# Altium PCB RK_NVR_DEMO1_RK3588_LP4XD200P232SD8_V21_20211228_final_lint.PcbDoc (part 18 of 29) (continued)
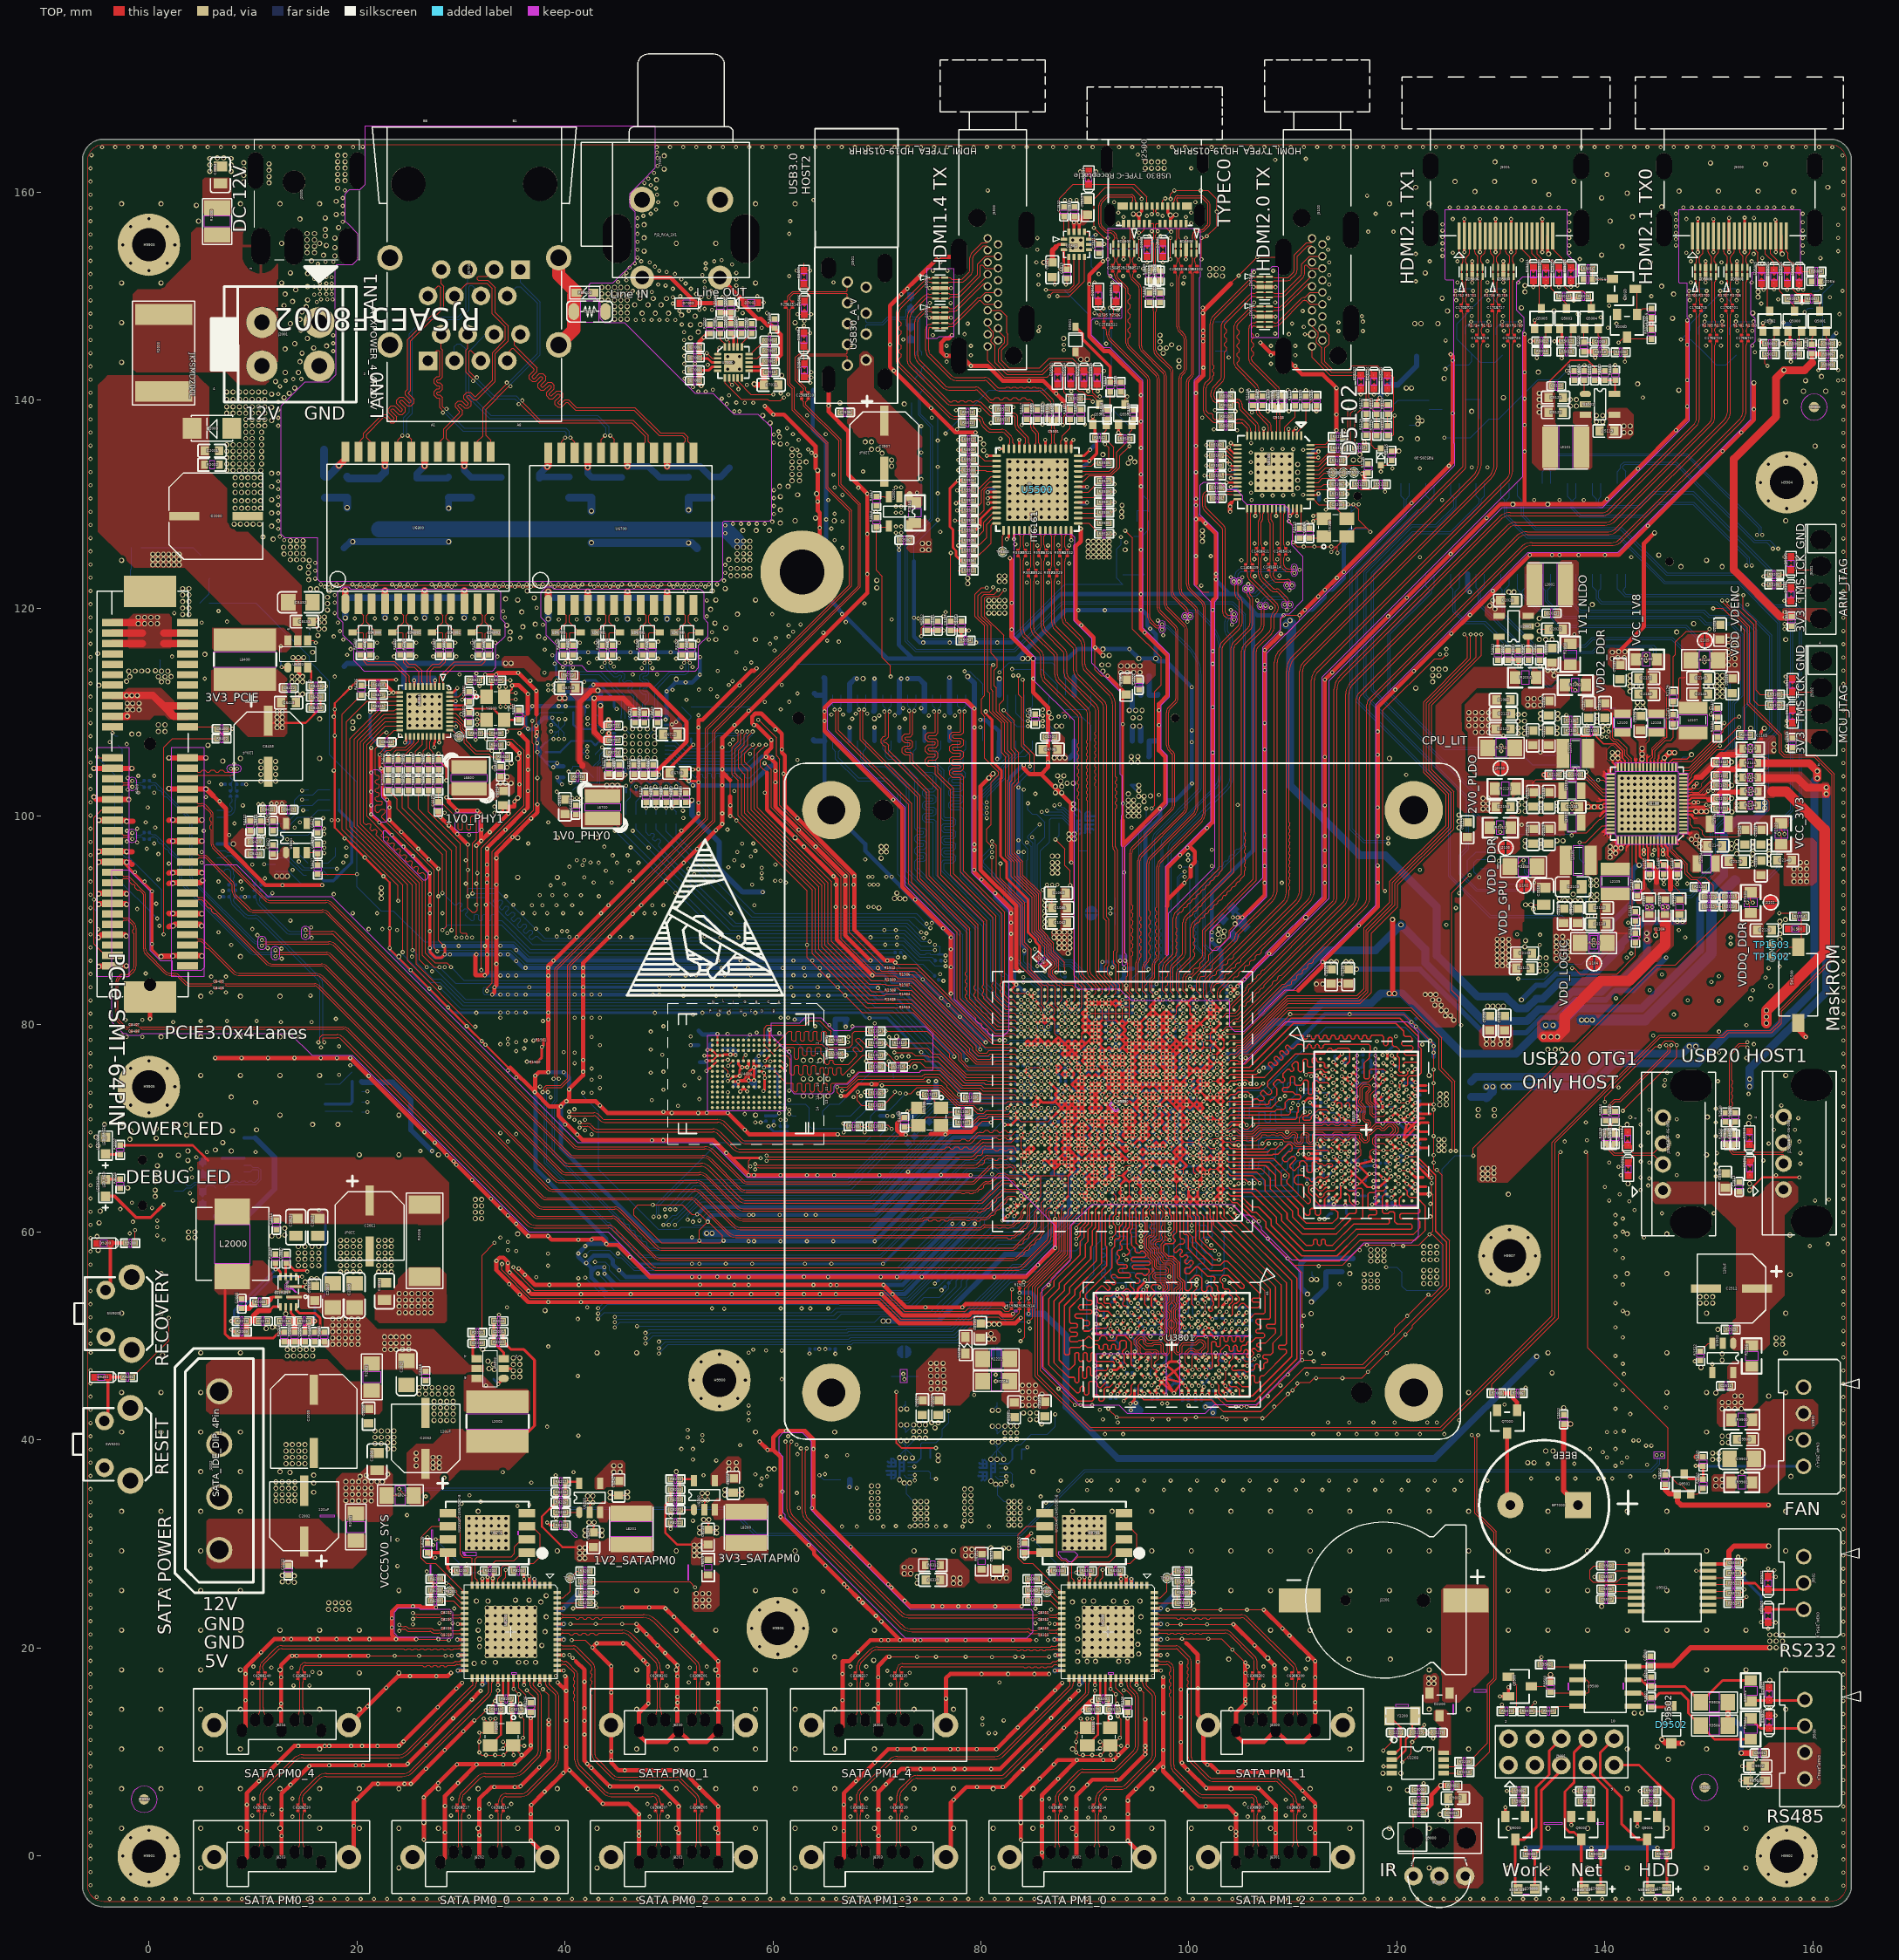
[diagram p0: TOP view]
## Nets (pads, with @x,y where several pads share a name; then routed paths per layer and width w, separated by ;. In a path a pad name is that pad's centre, name@x,y a point inside that pad or via, vN(x,y) a via of type N, cw(c..) or ccw(c..) an arc to the next point about the centre after c; other vN are vias at no path point) (continued)
LAN1_A+: J6700.B1 U6800.13 | length 20.8
  TOP w0.076: U6800.13@32.863,135.024 32.863,136.127 32.402,136.588 32.402,139.129 34.609,141.336 v4(34.767,141.336)
  BOTTOM w0.076: v4(34.767,141.336) 34.767,141.493 37.634,144.361 37.634,149.43 35.729,151.335 J6700.B1@35.729,152.558
  other v3: 34.767,141.336
LAN1_A-: J6700.B2 U6800.14 | length 20.7
  TOP w0.076: U6800.14@31.598,135.024 31.598,136.039 32.122,136.563 32.122,139.245 34.412,141.534 v4(34.412,141.691)
  BOTTOM w0.076: v4(34.412,141.691) 34.569,141.691 37.355,144.476 37.355,149.314 35.755,150.914 35.356,150.914 J6700.B2@34.459,150.018
  other v3: 34.412,141.691
LAN1_B+: J6700.B3 U6800.16 | length 26
  TOP w0.076: U6800.16@29.058,135.024 29.058,135.869 28.617,136.309 28.617,137.122 30.163,138.668 30.163,139.008 29.746,139.425 29.746,139.532 29.855,139.641 29.963,139.641 30.38,139.224 30.719,139.224 30.991,139.496 30.991,139.835 30.573,140.252 30.573,140.36 30.682,140.468 30.79,140.468 31.207,140.051 31.546,140.051 33.316,141.821 33.316,144.474 34.561,145.719 34.561,147.144 33.291,148.414 33.291,150.838 32.605,151.524 31.665,151.524 31.589,151.6 31.589,151.83 31.69,151.93 32.562,151.93 J6700.B3@33.189,152.558
LAN1_B-: J6700.B6 U6800.17 | length 26.1
  TOP w0.076: U6800.17@27.788,135.024 27.788,135.836 28.338,136.386 28.338,137.238 29.884,138.784 29.884,138.892 29.467,139.309 29.467,139.648 29.739,139.92 30.078,139.92 30.495,139.503 30.603,139.503 30.711,139.611 30.711,139.719 30.294,140.136 30.294,140.475 30.566,140.748 30.906,140.748 31.323,140.331 31.43,140.331 33.037,141.937 33.037,144.59 34.281,145.834 34.281,147.028 33.011,148.298 33.011,150.722 32.515,151.219 30.58,151.219 J6700.B6@29.379,150.018
LAN1_C+: J6700.B4 U6800.19 | length 22
  TOP w0.076: v4(24.883,136.589) 25.238,136.234 U6800.19@25.238,135.024
  BOTTOM w0.076: v4(24.883,136.589) 24.782,136.69 24.782,138.214 25.315,138.748 25.315,146.252 26.803,147.739 29.851,147.739 30.776,148.665 30.776,150.914 30.878,151.016 31.081,151.016 31.919,150.177 J6700.B4@31.919,150.018
  other v3: 24.883,136.589
LAN1_C-: J6700.B5 U6800.20 | length 22.1
  TOP w0.076: U6800.20@23.968,135.024 23.968,136.181 v4(24.375,136.589)
  BOTTOM w0.076: v4(24.375,136.589) 24.502,136.716 24.502,138.33 25.036,138.864 25.036,146.368 26.687,148.019 29.735,148.019 30.497,148.781 30.497,151.042 30.649,151.194 J6700.B5@30.649,152.558
  other v3: 24.375,136.589
LAN1_D+: J6700.B7 U6800.22 | length 26.3
  TOP w0.076: U6800.22@21.428,135.024 21.428,135.879 20.932,136.374 20.932,136.702 22.573,138.343 22.681,138.343 23.22,137.804 23.559,137.804 23.831,138.077 23.831,138.416 23.293,138.955 23.293,139.062 23.401,139.17 23.508,139.17 24.047,138.632 24.386,138.632 24.659,138.904 24.659,139.243 24.12,139.782 24.12,139.889 24.228,139.997 24.336,139.997 24.874,139.459 25.214,139.459 25.486,139.731 25.486,140.071 24.947,140.609 24.947,140.717 25.163,140.932 25.163,145.707 28.338,148.882 28.338,150.954 28.109,151.183 J6700.B7@28.109,152.558
LAN1_D-: J6700.B8 U6800.23 | length 26.1
  TOP w0.076: U6800.23@20.158,135.024 20.158,135.927 20.653,136.422 20.653,136.818 22.458,138.622 22.797,138.622 23.335,138.084 23.443,138.084 23.552,138.193 23.552,138.3 23.013,138.839 23.013,139.178 23.285,139.45 23.624,139.45 24.163,138.911 24.27,138.911 24.379,139.02 24.379,139.127 23.841,139.666 23.841,140.005 24.112,140.277 24.452,140.277 24.99,139.738 25.098,139.738 25.206,139.847 25.206,139.955 24.668,140.493 24.668,140.833 24.883,141.048 24.883,145.823 28.058,148.998 28.058,150.838 27.913,150.984 27.805,150.984 J6700.B8@26.839,150.018
LAN1_MCT1: D6800.1 D6804.1 R6813.1 U6800.24 | length 6
  TOP w0.635: v8(18.266,133.707) 18.888,134.328 U6800.24@18.888,135.024
  BOTTOM w0.762: D6800.1@16.843,135.217 16.843,132.718 R6813.1@16.933,132.628 17.187,132.628 v8(18.266,133.707)
  other v7: 18.266,133.707
LAN1_MCT2: D6801.1 D6805.1 R6812.1 U6800.21 | length 5.9
  TOP w0.635: v8(22.698,133.668) U6800.21@22.698,135.024
  BOTTOM w0.762: R6812.1@19.067,132.628 19.209,132.486 D6801.1@22.115,132.486 22.698,133.069 v8(22.698,133.668)
  other v7: 22.698,133.668
LAN1_MCT3: D6802.1 D6806.1 R6811.1 U6800.18 | length 5.9
  TOP w0.635: v8(26.518,133.668) U6800.18@26.518,135.024
  BOTTOM w0.635: D6802.1@25.772,132.486 28.689,132.486 R6811.1@28.831,132.628 ; D6806.1@25.772,132.59 25.772,132.922 v8(26.518,133.668)
  other v7: 26.518,133.668
LAN1_MCT4: D6803.1 D6807.1 R6810.1 U6800.15 | length 5.6
  TOP w0.635: v8(30.328,133.668) U6800.15@30.328,135.024
  BOTTOM w0.635: v8(30.328,133.668) 30.328,133.265 R6810.1@30.965,132.628 31.002,132.59 D6807.1@33.9,132.59
  other v7: 30.328,133.668
LINE_IN: D7000.1 J7000.2 R7000.2 | length 8.7
  TOP w0.406: J7000.2@47.418,151.784 50.159,151.784 52.341,149.602 D7000.1@52.341,149.334 52.342,149.332 R7000.2@54.932,149.332
LINE_OUT: C7005.2 D7001.1 J7000.3 R7003.1 | length 11.1
  TOP w0.406: J7000.3@54.919,151.784 57.268,149.434 D7001.1@57.268,149.334 57.268,149.066 58.487,147.848 58.836,147.848 59.478,147.206 59.841,147.206 R7003.1@60.139,146.908 60.748,146.299 60.748,144.346 C7005.2@60.131,143.729
LINEIN: C7000.2 R7000.1 R7001.1 | length 2.1
  TOP w0.406: R7000.1@54.932,148.432 R7001.1@55.948,148.432 C7000.2@55.948,147.326
MCU_JTAG_TCK_M0/UART5_RX_M0: R9109.1 U1000.AE2 | length 95.4
  TOP w0.089: U1000.AE2@103.691,77.456 104.017,77.782
  TOP w0.102: 104.017,77.782 104.506,77.782 104.686,77.962 105.252,77.962 109.522,82.233 116.37,82.233 117.238,83.1 117.238,88.888 119.829,91.478 119.829,93.514 125.213,98.899 125.213,102.244 123.08,104.378 123.08,110.786 127.601,115.307 v4(127.601,117.488) ; v4(153.306,121.247) 153.306,119.926 154.525,118.707 154.525,112.103 154.916,111.712 R9109.1@155.909,111.712
  L6-S2 w0.102: v4(127.601,117.488) 128.109,117.996 129.836,117.996 133.799,121.958 152.595,121.958 v4(153.306,121.247)
  other v3: 127.601,117.488 153.306,121.247
  other v12: 127.601,117.488 153.306,121.247
MCU_JTAG_TMS_M0/UART5_TX_M0: R9108.1 U1000.AE1 | length 95.3
  TOP w0.102: U1000.AE1@104.341,77.456 104.483,77.456 104.786,77.759 105.336,77.759 109.556,81.979 116.476,81.979 117.543,83.046 117.543,88.735 120.083,91.275 120.083,93.409 125.467,98.794 125.467,102.35 123.334,104.483 123.334,110.681 128.109,115.456 v4(128.109,117.488) ; v4(152.798,121.247) 152.798,119.926 154.322,118.402 154.322,111.087 154.745,110.664 R9108.1@155.909,110.664
  L6-S2 w0.102: v4(128.109,117.488) 129.735,117.488 134.002,121.755 152.29,121.755 v4(152.798,121.247)
  other v3: 128.109,117.488 152.798,121.247
  other v12: 128.109,117.488 152.798,121.247
MIPI_CAM3_CLKOUT: R1917.2 U4700.39 | length 145
  TOP w0.102: v4(33.951,56.934) 33.926,56.909 33.926,56.359 36.627,53.658 70.279,53.658 72.311,51.626 79.036,51.626 79.265,51.854 81.678,51.854 81.906,51.626 83.075,51.626 83.71,52.261 R1917.2@83.71,52.646
  L4-S1 w0.102: v4(33.951,56.934) 34.152,57.135 34.152,88.25 41.139,95.238 v4(41.139,95.746)
  L6-S2 w0.102: v4(41.139,95.746) 41.978,96.584 51.955,96.584 64.406,109.035 64.406,112.002 66.539,114.135 78.223,114.135 v4(78.427,113.932)
  BOTTOM w0.102: v4(78.427,113.932) 78.935,113.932 80.17,112.697 U4700.39@80.17,111.636
  other v3: 33.951,56.934 41.139,95.746 78.427,113.932
  other v12: 41.139,95.746 78.427,113.932
  other v17: 33.951,56.934 41.139,95.746
MIPI_CAM4_CLKOUT: R1918.2 U4700.40 | length 136.8
  TOP w0.102: v4(35.043,56.63) 35.043,56.426 37.05,54.42 70.595,54.42 72.627,52.388 78.528,52.388 78.808,52.667 82.008,52.667 82.287,52.388 82.69,52.388 R1918.2@82.948,52.646
  L4-S1 w0.102: v4(35.043,56.63) 34.942,56.731 34.942,87.922 42.46,95.441 v4(42.46,95.542)
  L6-S2 w0.102: v4(42.46,95.542) 42.79,95.873 52.265,95.873 65.346,108.954 79.544,108.954 v4(79.951,108.547)
  BOTTOM w0.102: v4(79.951,108.547) 80.17,108.328 U4700.40@80.17,107.236
  other v3: 35.043,56.63 42.46,95.542 79.951,108.547
  other v12: 42.46,95.542 79.951,108.547
  other v17: 35.043,56.63 42.46,95.542
MIPI_CSI0_PDN0_H_GPIO1_B3: U1000.D27 U4700.51 | length 136.2
  TOP w0.102: v4(87.116,63.48) U1000.D27@87.441,63.806
  L4-S1 w0.102: v4(44.797,51.854) 46.88,53.937 46.88,58.611 45.305,60.186 45.305,84.671 v4(55.719,95.085)
  L6-S2 w0.102: v4(55.719,95.085) 55.643,95.161 55.643,98.159 63.39,105.906 78.833,105.906 83.1,110.173 v4(84.523,110.173)
  BOTTOM w0.089: 85.518,61.424 86.791,62.697 86.791,62.965 86.981,63.156 87.036,63.156 87.116,63.236 v4(87.116,63.48)
  BOTTOM w0.102: v4(44.797,51.854) 44.899,51.956 65.836,51.956 66.242,52.362 75.175,52.362 77.614,54.801 77.614,55.309 77.995,55.69 81.551,59.246 83.837,59.246 85.488,60.897 85.488,61.394 85.518,61.424 ; v4(84.523,110.173) 84.97,110.62 U4700.51@84.97,111.636
  other v3: 44.797,51.854 87.116,63.48 55.719,95.085 84.523,110.173
  other v12: 55.719,95.085 84.523,110.173
  other v17: 44.797,51.854 55.719,95.085
MIPI_CSI0_PDN1_H_GPIO1_A7: U1000.C25 U4700.55 | length 137.3
  TOP w0.102: U1000.C25@88.74,63.156 v4(89.065,62.831)
  L4-S1 w0.102: v4(46.931,50.953) 47.642,51.664 47.642,59.068 46.219,60.49 46.219,84.265 57.091,95.136 v4(57.091,95.238)
  L6-S2 w0.102: v4(57.091,95.238) 56.989,95.339 56.989,96.863 56.659,97.193 56.659,97.524 63.821,104.686 79.207,104.686 82.763,108.242 84.624,108.242 85.031,108.649 85.031,109.32 v4(85.945,110.234)
  BOTTOM w0.089: 88.657,61.424 89.018,61.786 89.171,61.786 89.425,62.04 89.425,62.259 89.361,62.322 89.361,62.357 89.065,62.653 v4(89.065,62.831)
  BOTTOM w0.102: v4(46.931,50.953) 77.093,50.953 83.075,56.934 84.218,56.934 88.409,61.125 88.409,61.176 88.657,61.424 ; v4(85.945,110.234) 86.57,110.859 U4700.55@86.57,111.636
  other v3: 46.931,50.953 89.065,62.831 57.091,95.238 85.945,110.234
  other v12: 57.091,95.238 85.945,110.234
  other v17: 46.931,50.953 57.091,95.238
MIPI_CSI0_RST_GPIO1_A4: U1000.B25 U4700.49 | length 142.3
  TOP w0.102: v4(84.599,51.372) 84.98,51.753 84.98,54.776 88.117,57.913 88.129,57.925 88.129,61.379 88.409,61.659 88.409,62.174 U1000.B25@88.74,62.506
  L4-S1 w0.102: v4(49.039,48.324) 49.674,48.959 49.674,50.229 49.267,50.635 49.267,59.576 48.048,60.795 48.048,66.586 48.861,67.399 48.861,79.388 48.048,80.201 48.048,83.655 57.802,93.409 v4(58.005,93.409)
  L6-S2 w0.102: v4(58.005,93.409) 55.897,95.517 55.897,98.006 63.491,105.601 78.935,105.601 82.999,109.665 v4(84.523,109.665)
  BOTTOM w0.102: v4(49.039,48.324) 49.928,49.213 67.581,49.213 67.751,49.383 78.038,49.383 80.814,52.159 81.678,52.159 82.465,51.372 v4(84.599,51.372) ; U4700.49@84.17,111.636 84.17,110.018 v4(84.523,109.665)
  other v3: 49.039,48.324 84.599,51.372 58.005,93.409 84.523,109.665
  other v12: 58.005,93.409 84.523,109.665
  other v17: 49.039,48.324 58.005,93.409
MIPI_CSI0_RX_CLK0N: U1000.AJ34 U4700.15 | length 38.1
  TOP w0.076: v4(70.711,110.071) 70.832,109.951 70.832,107.745 70.756,107.668 70.64,107.668 70.4,107.429 70.4,107.044 70.64,106.805 70.756,106.805 70.832,106.729 70.832,106.196 74.769,102.259 74.769,94.12 79.468,89.421 79.468,83.743 79.341,83.616 79.341,83.387 79.468,83.26 79.468,83.032 79.341,82.905 79.341,82.676 79.468,82.549 79.468,82.396 81.74,80.125 82.822,80.125 U1000.AJ34@82.891,80.056
  BOTTOM w0.076: U4700.15@70.57,111.636 70.57,110.62 70.83,110.36 70.83,110.19 v4(70.711,110.071)
  other v3: 70.711,110.071
MIPI_CSI0_RX_CLK0P: U1000.AJ33 U4700.17 | length 38.2
  TOP w0.076: v4(71.213,110.071) 71.111,109.97 71.111,107.629 70.872,107.389 70.756,107.389 70.68,107.313 70.68,107.16 70.756,107.084 70.872,107.084 71.111,106.844 71.111,106.312 75.048,102.375 75.048,94.236 79.747,89.537 79.747,82.512 81.856,80.404 83.193,80.404 U1000.AJ33@83.541,80.056
  BOTTOM w0.076: 71.109,110.289 71.109,110.36 71.37,110.62 U4700.17@71.37,111.636 ; 71.11,110.288 71.11,110.175 v4(71.213,110.071)
  other v3: 71.213,110.071
MIPI_CSI0_RX_CLK1N: U1000.AM34 U4700.33 | length 39
  TOP w0.076: v4(77.925,110.071) 78.046,109.951 78.046,108.168 77.969,108.092 77.244,108.092 77.004,107.852 77.004,107.468 77.244,107.229 77.969,107.229 78.046,107.152 78.046,107 77.969,106.924 77.244,106.924 77.004,106.684 77.004,106.3 77.244,106.06 77.969,106.06 78.046,105.984 78.046,105.832 77.969,105.755 77.244,105.755 77.004,105.516 77.004,105.132 77.244,104.892 77.969,104.892 78.046,104.816 78.046,104.663 77.969,104.587 77.244,104.587 77.004,104.347 77.004,103.963 77.244,103.723 77.969,103.723 78.046,103.647 78.046,94.603 81.989,90.659 81.989,84.015 81.935,83.961 ; 81.935,82.952 81.881,83.006 81.881,83.234 81.935,83.288 ; 81.935,83.624 81.881,83.678 81.881,83.907 81.935,83.961 ; 81.935,82.952 81.989,82.898 81.989,82.669 82.577,82.081 82.816,82.081 U1000.AM34@82.891,82.006 ; 81.935,83.288 81.989,83.342 81.989,83.571 81.935,83.624
  BOTTOM w0.076: U4700.33@77.769,111.636 77.769,110.62 78.03,110.36 78.03,110.176 v4(77.925,110.071)
  other v3: 77.925,110.071
MIPI_CSI0_RX_CLK1P: U1000.AM33 U4700.35 | length 39.1
  TOP w0.076: v4(78.427,110.071) 78.325,109.97 78.325,108.053 78.085,107.813 77.36,107.813 77.284,107.737 77.284,107.584 77.36,107.508 78.085,107.508 78.325,107.268 78.325,106.884 78.085,106.644 77.36,106.644 77.284,106.568 77.284,106.416 77.36,106.34 78.085,106.34 78.325,106.1 78.325,105.716 78.085,105.476 77.36,105.476 77.284,105.4 77.284,105.247 77.36,105.171 78.085,105.171 78.325,104.931 78.325,104.547 78.085,104.308 77.36,104.308 77.284,104.231 77.284,104.079 77.36,104.003 78.085,104.003 78.325,103.763 78.325,94.718 82.268,90.775 82.268,82.785 82.693,82.36 83.074,82.36 83.429,82.006 U1000.AM33@83.541,82.006
  BOTTOM w0.076: v4(78.427,110.071) 78.309,110.188 78.309,110.288 78.309,110.36 78.57,110.62 U4700.35@78.57,111.636
  other v3: 78.427,110.071
MIPI_CSI0_RX_D0N: U1000.AG34 U4700.3 | length 41.4
  TOP w0.076: v4(65.936,110.244) 65.961,110.244 66.047,110.158 66.047,108.125 73.067,101.105 73.067,93.485 77.735,88.817 77.735,82.352 79.526,80.561 79.526,80.273 79.669,80.129 79.957,80.129 80.1,79.986 80.1,79.698 80.244,79.555 80.532,79.555 80.675,79.411 80.675,79.124 80.819,78.98 81.107,78.98 81.25,78.836 82.81,78.836 U1000.AG34@82.891,78.756
  BOTTOM w0.076: U4700.3@65.769,111.636 65.769,110.62 65.936,110.453 65.936,110.27 v4(65.936,110.244)
  other v3: 65.936,110.244
MIPI_CSI0_RX_D0P: U1000.AG33 U4700.5 | length 41.2
  TOP w0.076: v4(66.438,110.244) 66.412,110.244 66.326,110.158 66.326,108.241 73.347,101.221 73.347,93.601 78.014,88.933 78.014,82.467 81.366,79.116 83.181,79.116 U1000.AG33@83.541,78.756
  BOTTOM w0.076: v4(66.438,110.244) 66.438,110.488 66.57,110.62 U4700.5@66.57,111.636
  other v3: 66.438,110.244
MIPI_CSI0_RX_D1N: U1000.AH34 U4700.9 | length 39.6
  TOP w0.076: v4(68.273,110.249) 68.298,110.249 68.394,110.154 68.394,107.314 73.88,101.827 73.88,93.891 78.655,89.116 78.655,85.073 78.528,84.946 78.528,84.718 78.655,84.591 78.655,84.362 78.528,84.235 78.528,84.006 78.655,83.879 78.655,83.651 78.528,83.524 78.528,83.295 78.655,83.168 78.655,82.94 78.528,82.813 78.528,82.584 78.655,82.457 78.655,82.324 81.492,79.487 82.81,79.487 U1000.AH34@82.891,79.405
  BOTTOM w0.076: U4700.9@68.17,111.636 68.17,110.62 68.331,110.459 68.331,110.333 68.273,110.274 v4(68.273,110.249)
  other v3: 68.273,110.249
MIPI_CSI0_RX_D1P: U1000.AH33 U4700.11 | length 39.5
  TOP w0.076: v4(68.775,110.249) 68.749,110.249 68.673,110.173 68.673,107.43 74.159,101.943 74.159,94.007 78.935,89.232 78.935,82.44 81.608,79.766 83.18,79.766 U1000.AH33@83.541,79.405
  BOTTOM w0.076: v4(68.775,110.249) 68.775,110.274 68.753,110.296 68.753,110.404 68.97,110.62 U4700.11@68.97,111.636
  other v3: 68.775,110.249
MIPI_CSI0_RX_D2N: U1000.AK34 U4700.21 | length 38.1
  TOP w0.076: v4(73.106,110.129) 73.169,110.066 73.169,108 73.093,107.924 72.672,107.924 72.432,107.684 72.432,107.3 72.672,107.06 73.093,107.06 73.169,106.984 73.169,106.831 73.093,106.755 72.672,106.755 72.432,106.515 72.432,106.131 72.672,105.892 73.093,105.892 73.169,105.815 73.169,105.206 75.887,102.488 75.887,94.222 80.281,89.827 80.281,83.823 80.154,83.696 80.154,83.467 80.281,83.34 80.281,83.112 80.154,82.985 80.154,82.756 80.281,82.629 80.281,82.473 81.968,80.785 82.812,80.785 U1000.AK34@82.891,80.706
  BOTTOM w0.076: U4700.21@72.97,111.636 72.97,110.62 73.229,110.36 73.229,110.252 v4(73.106,110.129)
  other v3: 73.106,110.129
MIPI_CSI0_RX_D2P: U1000.AK33 U4700.23 | length 38.2
  TOP w0.076: v4(73.608,110.129) 73.448,109.97 73.448,107.884 73.208,107.644 72.788,107.644 72.712,107.568 72.712,107.416 72.788,107.339 73.208,107.339 73.448,107.1 73.448,106.716 73.208,106.476 72.788,106.476 72.712,106.4 72.712,106.247 72.788,106.171 73.208,106.171 73.448,105.931 73.448,105.322 76.166,102.604 76.166,94.337 80.56,89.943 80.56,82.588 82.084,81.064 83.182,81.064 U1000.AK33@83.541,80.706
  BOTTOM w0.076: v4(73.608,110.129) 73.509,110.227 73.509,110.36 73.769,110.62 U4700.23@73.769,111.636
  other v3: 73.608,110.129
MIPI_CSI0_RX_D3N: U1000.AL34 U4700.27 | length 38.5
  TOP w0.076: v4(75.487,110.071) 75.607,109.951 75.607,108.102 75.531,108.026 74.907,108.026 74.667,107.786 74.667,107.402 74.907,107.162 75.531,107.162 75.607,107.086 75.607,106.934 75.531,106.858 74.907,106.858 74.667,106.618 74.667,106.234 74.907,105.994 75.531,105.994 75.607,105.918 75.607,105.765 75.531,105.689 74.907,105.689 74.667,105.449 74.667,105.065 74.907,104.826 75.531,104.826 75.607,104.749 75.607,104.038 77.106,102.539 77.106,94.334 81.17,90.27 81.17,83.92 81.068,83.819 81.068,83.59 81.17,83.489 81.17,83.26 81.068,83.158 81.068,82.93 81.17,82.828 81.17,82.6 82.349,81.42 82.827,81.42 U1000.AL34@82.891,81.356
  BOTTOM w0.076: U4700.27@75.37,111.636 75.37,110.62 75.63,110.36 75.63,110.215 v4(75.487,110.071)
  other v3: 75.487,110.071
MIPI_CSI0_RX_D3P: U1000.AL33 U4700.29 | length 38.6
  TOP w0.076: v4(75.988,110.071) 75.887,109.97 75.887,107.986 75.647,107.747 75.023,107.747 74.947,107.67 74.947,107.518 75.023,107.442 75.647,107.442 75.887,107.202 75.887,106.818 75.647,106.578 75.023,106.578 74.947,106.502 74.947,106.35 75.023,106.273 75.647,106.273 75.887,106.034 75.887,105.65 75.647,105.41 75.023,105.41 74.947,105.334 74.947,105.181 75.023,105.105 75.647,105.105 75.887,104.865 75.887,104.153 77.385,102.655 77.385,94.45 81.449,90.386 81.449,82.715 82.465,81.699 83.197,81.699 U1000.AL33@83.541,81.356
  BOTTOM w0.076: v4(75.988,110.071) 75.91,110.15 75.91,110.288 75.909,110.36 76.17,110.62 U4700.29@76.17,111.636
  other v3: 75.988,110.071
MIPI_CSI1_PDN0_H_GPIO1_B4: U1000.E24 U4700.52 | length 138.3
  TOP w0.102: U1000.E24@89.391,64.456 v4(89.716,64.131)
  L4-S1 w0.102: v4(47.743,49.289) 48.404,49.949 48.404,59.525 47.134,60.795 47.134,83.96 58.208,95.034 v4(58.919,95.034)
  L6-S2 w0.102: v4(58.919,95.034) 60.951,97.066 62.272,97.066 62.882,97.676 67.251,97.676 68.673,99.098 68.673,100.622 70.603,102.553 79.341,102.553 v4(80.56,101.334)
  BOTTOM w0.089: 89.704,58.763 89.704,60.541 90.187,61.024 90.187,62.55 90.04,62.696 90.04,63.615 89.716,63.94 v4(89.716,64.131)
  BOTTOM w0.102: v4(47.743,49.289) 48.48,50.026 67.251,50.026 67.37,50.145 77.429,50.145 83.481,56.198 85.488,56.198 87.52,58.23 89.171,58.23 89.704,58.763 ; v4(80.56,101.334) 80.56,101.842 82.389,103.67 82.389,104.619 83.523,105.753 84.269,105.753 84.97,106.454 U4700.52@84.97,107.236
  other v3: 47.743,49.289 89.716,64.131 58.919,95.034 80.56,101.334
  other v12: 58.919,95.034 80.56,101.334
  other v17: 47.743,49.289 58.919,95.034
MIPI_CSI1_PDN1_H_GPIO1_B0: U1000.C27 U4700.56 | length 135.9
  TOP w0.102: v4(87.116,62.831) U1000.C27@87.441,63.156
  L4-S1 w0.102: v4(44.797,51.346) 47.134,53.683 47.134,58.763 45.61,60.287 45.61,84.468 56.379,95.238 56.379,95.339 58.107,97.066 v4(58.107,97.371)
  L6-S2 w0.102: v4(58.107,97.371) 58.107,98.109 64.074,104.077 79.46,104.077 83.016,107.633 84.827,107.633 85.843,108.649 v4(85.945,108.649)
  BOTTOM w0.089: 85.888,61.424 87.116,62.652 v4(87.116,62.831)
  BOTTOM w0.102: v4(44.797,51.346) 45.102,51.651 66.082,51.651 66.59,52.159 75.48,52.159 78.122,54.801 78.122,55.308 81.678,58.865 84.091,58.865 85.869,60.642 85.869,61.405 85.888,61.424 ; v4(85.945,108.649) 86.047,108.649 86.57,108.126 U4700.56@86.57,107.236
  other v3: 44.797,51.346 87.116,62.831 58.107,97.371 85.945,108.649
  other v12: 58.107,97.371 85.945,108.649
  other v17: 44.797,51.346 58.107,97.371
MIPI_CSI1_RST_GPIO1_B5: U1000.E25 U4700.50 | length 110.4
  TOP w0.102: U1000.E25@88.74,64.456 v4(89.065,64.131)
  L4-S1 w0.102: v4(60.24,95.339) 62.516,93.064 62.516,52.906 v4(62.755,52.667)
  L6-S2 w0.089: 88.301,61.424 88.536,61.659 88.536,63.957 88.71,64.131 v4(89.065,64.131)
  L6-S2 w0.102: v4(60.24,95.339) 61.536,96.635 67.276,96.635 69.841,99.2 71.416,99.2 73.042,100.826 v4(80.56,100.826) ; v4(62.755,52.667) 63.237,53.15 84.853,53.15 85.234,53.531 85.234,54.902 86.758,56.426 86.758,59.576 88.079,60.897 88.079,61.202 88.301,61.424
  BOTTOM w0.102: v4(80.56,100.826) 80.154,101.232 80.154,101.74 82.186,103.772 82.186,104.704 83.438,105.956 83.659,105.956 84.17,106.467 U4700.50@84.17,107.236
  other v3: 62.755,52.667 89.065,64.131 60.24,95.339 80.56,100.826
  other v12: 62.755,52.667 89.065,64.131 60.24,95.339 80.56,100.826
  other v17: 62.755,52.667 60.24,95.339
MIPI_CSI1_RX_CLK0N: U1000.AJ32 U4700.16 | length 38.1
  TOP w0.086: v4(83.866,80.381) U1000.AJ32@84.191,80.056
  BOTTOM w0.076: U4700.16@70.57,107.236 70.57,106.447 70.83,106.187 70.83,105.739 71.07,105.499 71.631,105.499 73.651,103.478 73.651,98.812 73.891,98.572 74.413,98.572 74.49,98.496 74.49,98.343 74.413,98.267 73.891,98.267 73.651,98.027 73.651,97.643 73.891,97.403 74.413,97.403 74.49,97.327 74.49,97.175 74.413,97.099 73.891,97.099 73.651,96.859 73.651,96.475 73.891,96.235 74.413,96.235 74.49,96.159 74.49,96.006 74.413,95.93 73.891,95.93 73.651,95.69 73.651,94.886 79.468,89.069 79.468,83.386 81.846,81.008 81.846,80.72 81.989,80.577 82.277,80.577 82.421,80.433 83.814,80.433 v4(83.866,80.381)
  other v3: 83.866,80.381
MIPI_CSI1_RX_CLK0P: U1000.AJ31 U4700.18 | length 38.2
  TOP w0.086: v4(84.516,80.381) U1000.AJ31@84.841,80.056
  BOTTOM w0.076: U4700.18@71.37,107.236 71.37,106.468 71.109,106.208 71.109,105.855 71.186,105.779 71.746,105.779 73.931,103.594 73.931,98.927 74.007,98.851 74.529,98.851 74.769,98.611 74.769,98.227 74.529,97.988 74.007,97.988 73.931,97.911 73.931,97.759 74.007,97.683 74.529,97.683 74.769,97.443 74.769,97.059 74.529,96.819 74.007,96.819 73.931,96.743 73.931,96.591 74.007,96.514 74.529,96.514 74.769,96.275 74.769,95.891 74.529,95.651 74.007,95.651 73.931,95.575 73.931,95.001 79.747,89.185 79.747,83.502 82.537,80.713 84.184,80.713 v4(84.516,80.381)
  other v3: 84.516,80.381
MIPI_CSI1_RX_CLK1N: U1000.AM32 U4700.34 | length 35.9
  TOP w0.086: v4(83.866,82.331) U1000.AM32@84.191,82.006
  BOTTOM w0.076: U4700.34@77.769,107.236 77.769,106.461 78.03,106.201 78.03,105.064 77.954,104.987 77.168,104.987 76.928,104.748 76.928,104.364 77.168,104.124 78.157,104.124 78.233,104.048 78.233,103.895 78.157,103.819 77.168,103.819 76.928,103.579 76.928,103.195 77.168,102.955 77.954,102.955 78.03,102.879 78.03,102.727 77.954,102.651 77.168,102.651 76.928,102.411 76.928,102.027 77.168,101.787 77.954,101.787 78.03,101.711 78.03,101.558 77.954,101.482 77.168,101.482 76.928,101.242 76.928,100.858 77.168,100.619 77.954,100.619 78.03,100.542 78.03,94.121 81.779,90.372 81.779,84.843 82.019,84.603 82.227,84.603 82.303,84.527 82.303,83.855 83.252,82.906 83.252,82.618 83.396,82.474 83.684,82.474 83.827,82.331 v4(83.866,82.331)
  other v3: 83.866,82.331
MIPI_CSI1_RX_CLK1P: U1000.AM31 U4700.36 | length 36.1
  TOP w0.086: v4(84.516,82.331) U1000.AM31@84.841,82.006
  BOTTOM w0.076: U4700.36@78.57,107.236 78.57,106.455 78.309,106.195 78.309,104.948 78.069,104.708 77.284,104.708 77.207,104.632 77.207,104.479 77.284,104.403 78.273,104.403 78.512,104.163 78.512,103.779 78.273,103.54 77.284,103.54 77.207,103.463 77.207,103.311 77.284,103.235 78.069,103.235 78.309,102.995 78.309,102.611 78.069,102.371 77.284,102.371 77.207,102.295 77.207,102.143 77.284,102.066 78.069,102.066 78.309,101.827 78.309,101.443 78.069,101.203 77.284,101.203 77.207,101.127 77.207,100.974 77.284,100.898 78.069,100.898 78.309,100.658 78.309,94.237 82.059,90.488 82.059,84.959 82.135,84.882 82.343,84.882 82.583,84.643 82.583,83.971 83.889,82.665 84.182,82.665 v4(84.516,82.331)
  other v3: 84.516,82.331
MIPI_CSI1_RX_D0N: U1000.AG32 U4700.4 | length 39.3
  TOP w0.086: v4(83.866,79.081) U1000.AG32@84.191,78.756
  BOTTOM w0.076: U4700.4@65.769,107.236 65.769,106.472 66.03,106.212 66.03,105.501 68.14,103.391 70.792,103.391 72.026,102.158 72.026,94.427 77.995,88.458 77.995,82.371 81.246,79.119 83.014,79.119 83.217,78.916 83.42,78.916 83.624,79.119 83.827,79.119 v4(83.866,79.081)
  other v3: 83.866,79.081
MIPI_CSI1_RX_D0P: U1000.AG31 U4700.6 | length 39.5
  TOP w0.086: v4(84.516,79.081) U1000.AG31@84.841,78.756
  BOTTOM w0.076: U4700.6@66.57,107.236 66.57,106.444 66.309,106.184 66.309,105.617 68.255,103.67 70.908,103.67 72.305,102.273 72.305,94.543 78.274,88.574 78.274,82.487 81.362,79.399 84.197,79.399 v4(84.516,79.081)
  other v3: 84.516,79.081
MIPI_CSI1_RX_D1N: U1000.AH32 U4700.10 | length 37.5
  TOP w0.086: v4(83.866,79.731) U1000.AH32@84.191,79.405
  BOTTOM w0.076: U4700.10@68.17,107.236 68.17,106.497 68.43,106.236 68.43,105.499 69.141,104.788 70.804,104.788 72.839,102.753 72.839,94.656 78.731,88.764 78.731,82.843 79.493,82.081 79.493,81.793 79.637,81.65 79.924,81.65 80.068,81.506 80.068,81.219 80.211,81.075 80.499,81.075 80.643,80.931 80.643,80.644 80.786,80.5 81.074,80.5 81.218,80.356 81.218,80.069 81.361,79.925 81.649,79.925 81.792,79.782 83.002,79.782 83.205,79.578 83.408,79.578 83.611,79.782 83.815,79.782 v4(83.866,79.731)
  other v3: 83.866,79.731
MIPI_CSI1_RX_D1P: U1000.AH31 U4700.12 | length 36.9
  TOP w0.086: v4(84.516,79.731) U1000.AH31@84.841,79.405
  BOTTOM w0.076: U4700.12@68.97,107.236 68.97,106.497 68.709,106.237 68.709,105.615 69.257,105.067 70.919,105.067 73.118,102.869 73.118,94.772 79.011,88.879 79.011,82.958 81.908,80.061 84.185,80.061 v4(84.516,79.731)
  other v3: 84.516,79.731
MIPI_CSI1_RX_D2N: U1000.AK32 U4700.22 | length 37.3
  TOP w0.086: v4(83.866,81.031) U1000.AK32@84.191,80.706
  BOTTOM w0.076: U4700.22@72.97,107.236 72.97,106.485 73.23,106.225 73.23,105.108 74.394,103.944 75.218,103.944 75.404,103.757 75.404,102.712 75.328,102.636 74.628,102.636 74.388,102.396 74.388,102.012 74.628,101.772 75.328,101.772 75.404,101.696 75.404,101.543 75.328,101.467 74.628,101.467 74.388,101.227 74.388,100.843 74.628,100.604 75.328,100.604 75.404,100.527 75.404,100.375 75.328,100.299 74.628,100.299 74.388,100.059 74.388,99.675 74.628,99.435 75.328,99.435 75.404,99.359 75.404,94.196 80.205,89.396 80.205,83.793 82.341,81.656 82.341,81.369 82.484,81.225 82.772,81.225 82.916,81.082 83.815,81.082 v4(83.866,81.031)
  other v3: 83.866,81.031
MIPI_CSI1_RX_D2P: U1000.AK31 U4700.24 | length 37.5
  TOP w0.086: v4(84.516,81.031) U1000.AK31@84.841,80.706
  BOTTOM w0.076: U4700.24@73.769,107.236 73.769,106.497 73.509,106.237 73.509,105.224 74.509,104.223 75.333,104.223 75.683,103.873 75.683,102.596 75.444,102.356 74.744,102.356 74.667,102.28 74.667,102.128 74.744,102.051 75.444,102.051 75.683,101.812 75.683,101.428 75.444,101.188 74.744,101.188 74.667,101.112 74.667,100.959 74.744,100.883 75.444,100.883 75.683,100.643 75.683,100.259 75.444,100.019 74.744,100.019 74.667,99.943 74.667,99.791 74.744,99.715 75.444,99.715 75.683,99.475 75.683,94.312 80.484,89.511 80.484,83.909 83.032,81.361 84.186,81.361 v4(84.516,81.031)
  other v3: 84.516,81.031
MIPI_CSI1_RX_D3N: U1000.AL32 U4700.28 | length 37.5
  TOP w0.086: v4(83.866,81.681) U1000.AL32@84.191,81.356
  BOTTOM w0.076: U4700.28@75.37,107.236 75.37,106.423 75.63,106.162 75.63,105.804 75.379,105.552 75.379,105.093 76.191,104.28 76.191,99.833 76.431,99.593 77.217,99.593 77.293,99.517 77.293,99.365 77.217,99.288 76.431,99.288 76.191,99.049 76.191,98.665 76.431,98.425 77.217,98.425 77.293,98.349 77.293,98.196 77.217,98.12 76.431,98.12 76.191,97.88 76.191,97.496 76.431,97.256 77.217,97.256 77.293,97.18 77.293,97.028 77.217,96.952 76.431,96.952 76.191,96.712 76.191,96.328 76.431,96.088 77.217,96.088 77.293,96.012 77.293,95.859 77.217,95.783 76.431,95.783 76.191,95.543 76.191,94.73 80.941,89.98 80.941,84.098 82.743,82.296 82.743,82.009 82.887,81.865 83.174,81.865 83.318,81.721 83.825,81.721 v4(83.866,81.681)
  other v3: 83.866,81.681
MIPI_CSI1_RX_D3P: U1000.AL31 U4700.30 | length 37.7
  TOP w0.086: v4(84.516,81.681) U1000.AL31@84.841,81.356
  BOTTOM w0.076: U4700.30@76.17,107.236 76.17,106.494 75.909,106.233 75.909,105.688 75.658,105.437 75.658,105.209 76.471,104.396 76.471,99.949 76.547,99.873 77.333,99.873 77.573,99.633 77.573,99.249 77.333,99.009 76.547,99.009 76.471,98.933 76.471,98.78 76.547,98.704 77.333,98.704 77.573,98.464 77.573,98.08 77.333,97.841 76.547,97.841 76.471,97.764 76.471,97.612 76.547,97.536 77.333,97.536 77.573,97.296 77.573,96.912 77.333,96.672 76.547,96.672 76.471,96.596 76.471,96.444 76.547,96.367 77.333,96.367 77.573,96.128 77.573,95.744 77.333,95.504 76.547,95.504 76.471,95.428 76.471,94.845 81.221,90.096 81.221,84.214 83.434,82.001 84.196,82.001 v4(84.516,81.681)
  other v3: 84.516,81.681